# Altium PCB Duong_update.PcbDoc
Units mm, origin at the board's own origin, x right, y up, seen from the top; angles counter-clockwise.
Board outline 80 x 55 mm, 2 copper layers (Top Layer, Bottom Layer); 44 components, 31 nets, 141 pads, 352 vias.
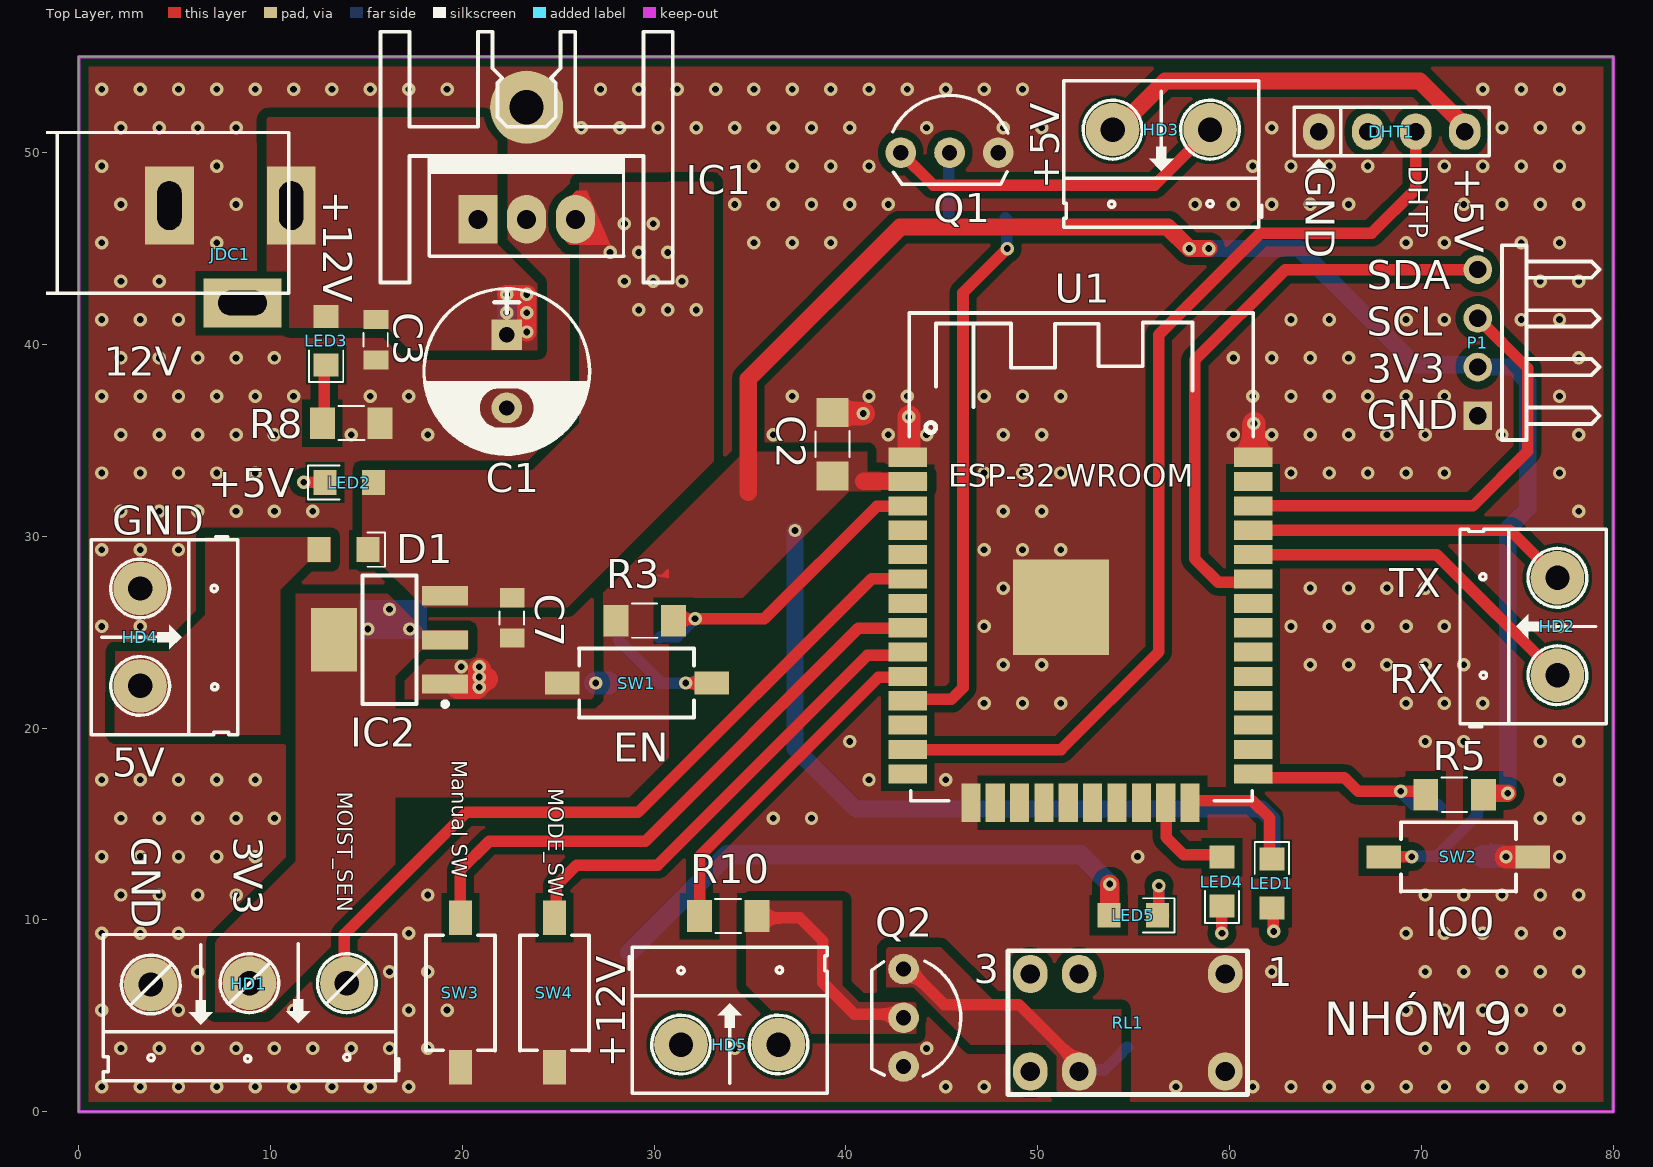
[diagram p0: Top Layer view]
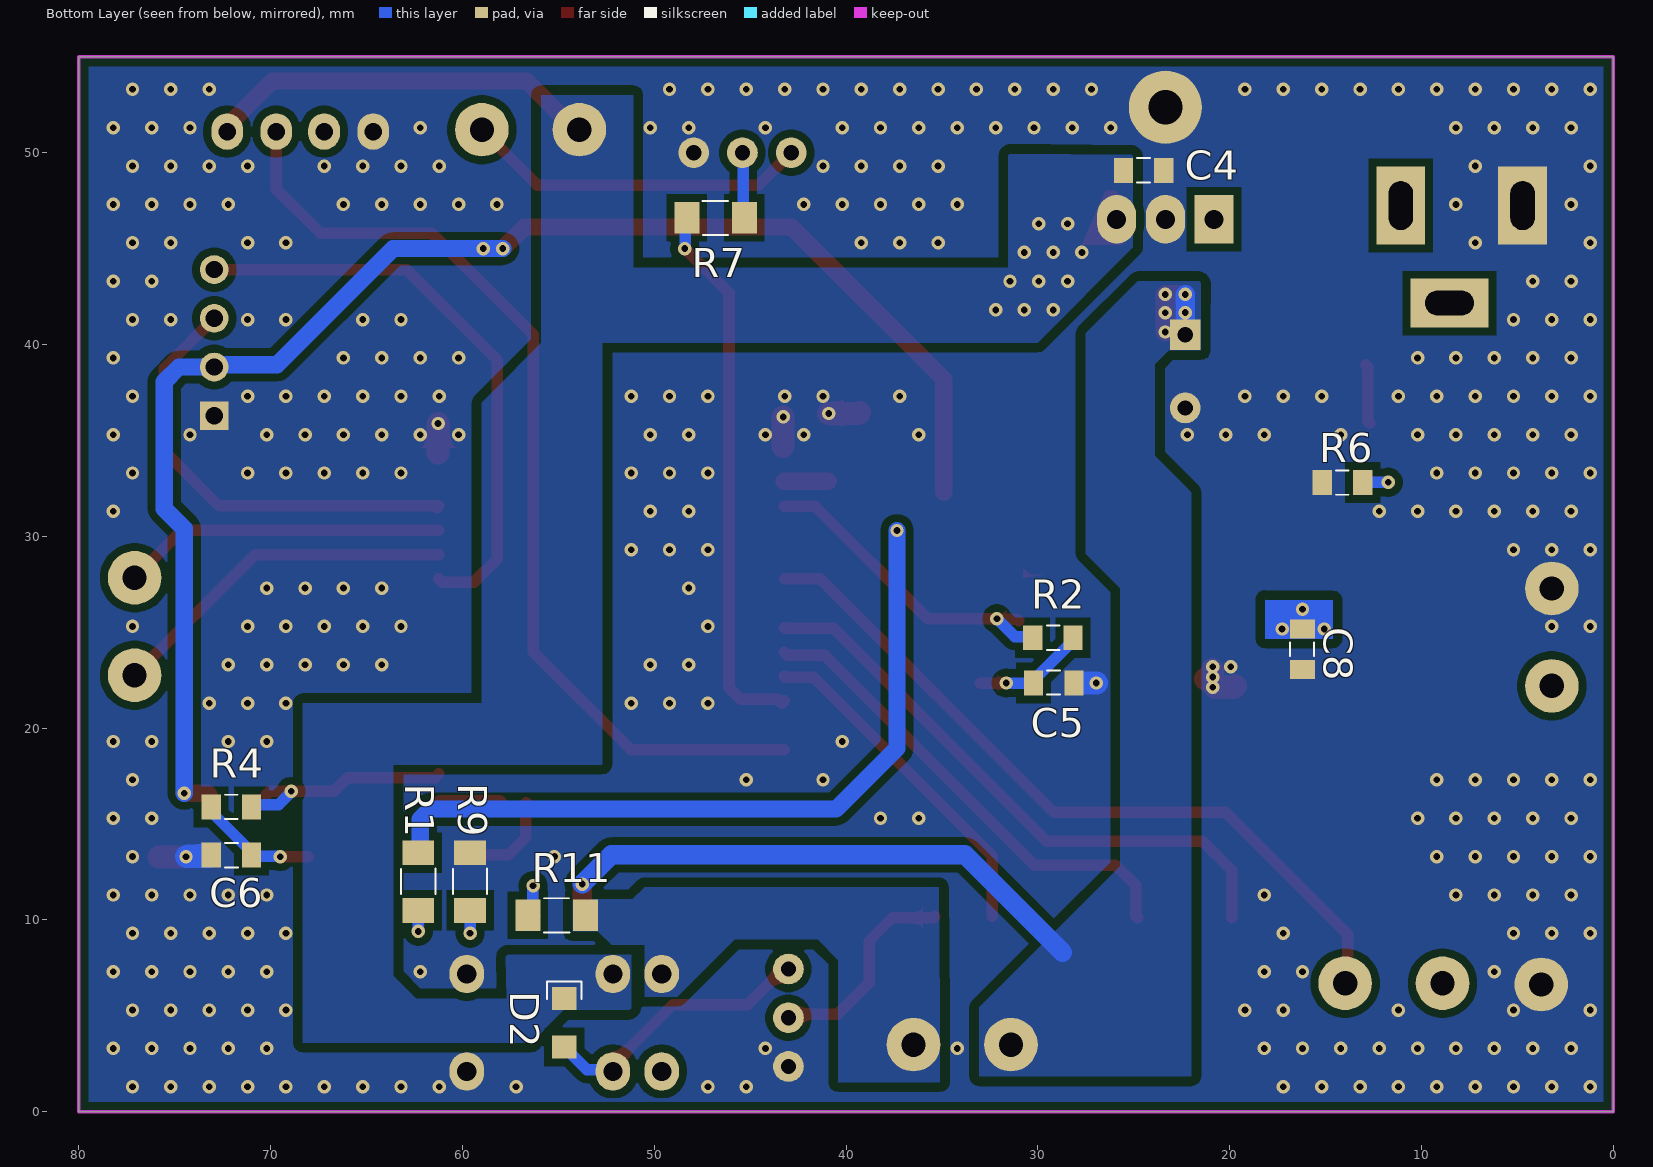
[diagram p1: Bottom Layer view, seen from below]
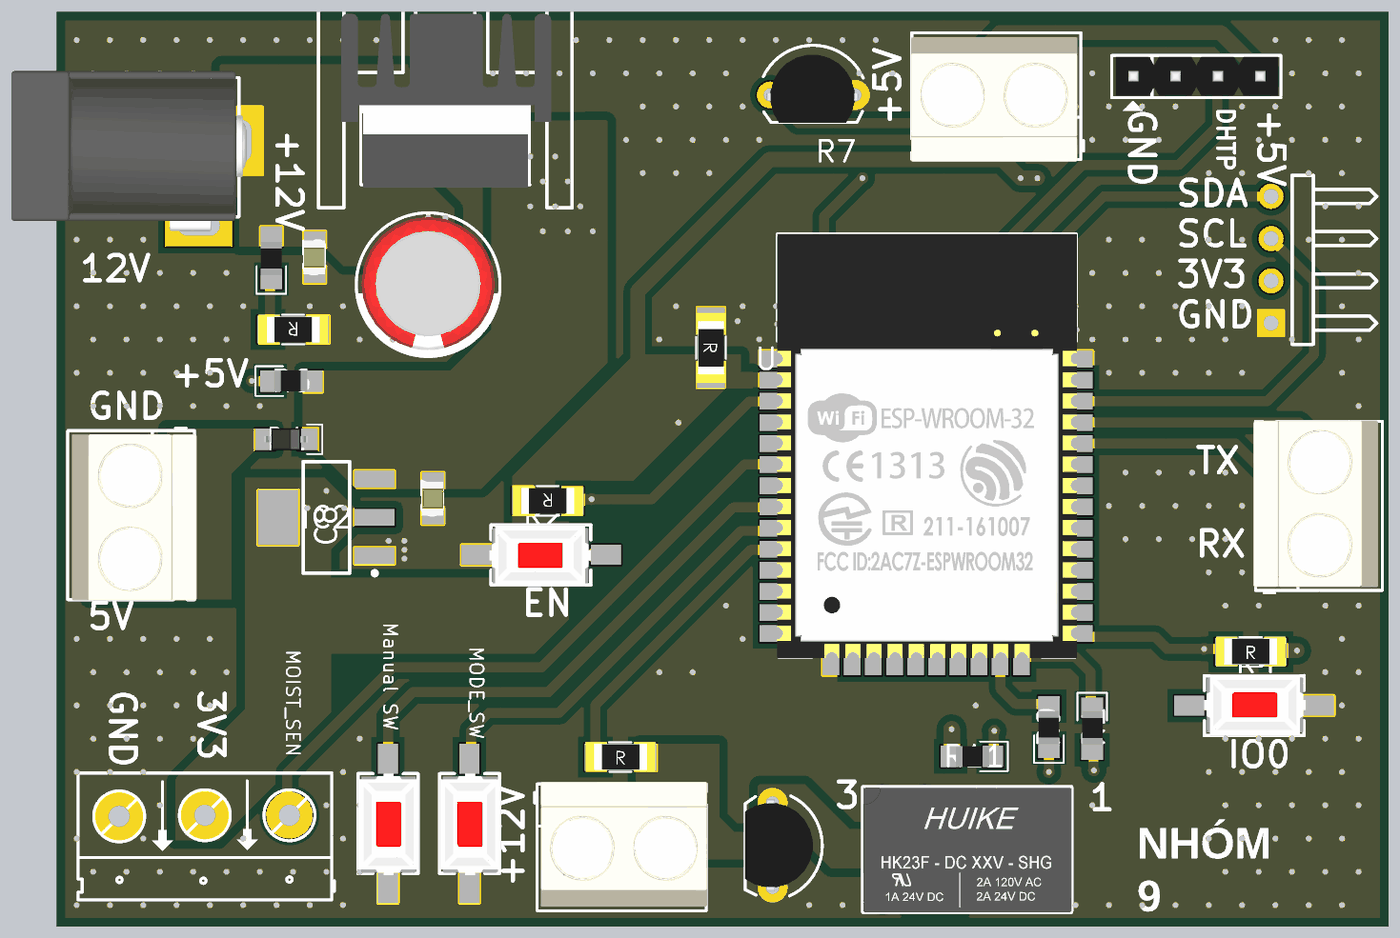
[diagram p2: 3D render of the assembled board from above, using the file's embedded part models]
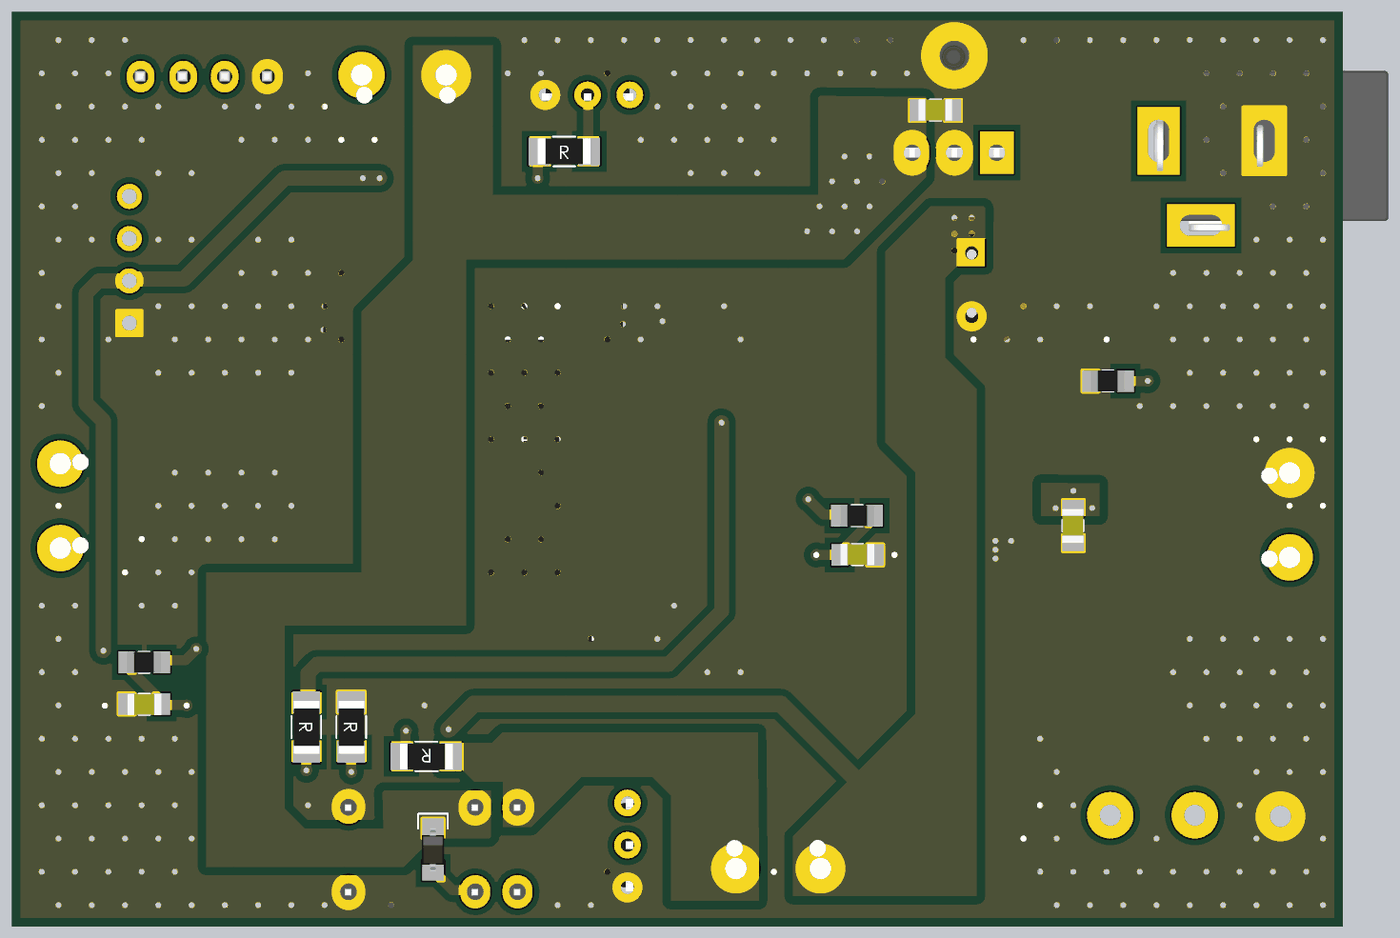
[diagram p3: 3D render of the assembled board from below, using the file's embedded part models]

## Layer stack, top to bottom
Top Solder: solder mask 0.0102, Solder Resist, Dk 3.5
Top Layer: signal copper 0.0356
Dielectric 1: dielectric 0.32, FR-4, Dk 4.8
Bottom Layer: signal copper 0.0356
Bottom Solder: solder mask 0.0102, Solder Resist, Dk 3.5

## Board outline
0,0 0,55 80,55 80,0

## Design rules (kind name [scope] priority, off if disabled: settings)
Clearance [All] p1: gap=0.3 except(0.4: Arc-Fill Arc-Poly Arc-Region Track-Fill Track-Poly Track-Region SMDPad-Fill SMDPad-Poly SMDPad-Region THPad-Fill THPad-Poly THPad-Region Via-Fill Via-Poly Via-Region; 0.5: Fill-Fill Fill-Poly Fill-Region Poly-Poly Poly-Region Region-Region)
PlaneConnect [All] p1: planeconnectstyle=Direct reliefexpansion=0.508 reliefentries=4 reliefconductorwidth=0.254 reliefairgap=0.254
PolygonConnect [All] p1: connectstyle=Direct reliefconductorwidth=0.254 reliefentries=4 polygonreliefangle="90 Angle" airgapwidth=0.254
RoutingVias [All] p1: holewidth=0.35 width=0.7 viastyle="Through Hole" minholewidth=0.35 minwidth=0.7 maxholewidth=0.35 maxwidth=0.7
SolderMaskExpansion [All] p1: expansion=0.102
Width +5 [InNet('+5') or InNet('VDD33')] p1: maxlimit=0.9 minlimit=0.9 preferedwidth=0.9
Width GND [InNet('GND')] p2: maxlimit=1.2 minlimit=1.2 preferedwidth=1.2
Width VCC [InNet('VCC')] p3: maxlimit=1 minlimit=0.9 preferedwidth=0.9
Width NET [All] p4: maxlimit=0.6 minlimit=0.6 preferedwidth=0.6
29 further rules are at their usual default settings.

## Components (designator, comment, footprint, x,y, rotation, side; value= is the part's Value field where it differs from the comment)
C1 "100uF/35V" CP1.5/3.4 22.313,40.501 r270 top
C2 "10uf" CM-1206 39.3,34.8 r270 top
C3 "330nF" CM-0805 15.5,40.233 r90 top
C4 "100nF" CM-0805 24.497,49.065 r180 bottom
C5 "1nf" CM-0805 29.187,22.35 r180 bottom
C6 "1nF" CM-0805 72.03,13.39 r0 bottom
C7 "10uf" CM-0805 22.6,25.733 r90 top
C8 "104" CM-0805 16.2,24.1 r90 bottom
D1 "1N4007" "D-0805 SOD323" 13.8,29.3 r0 top
D2 "1N4007" "D-0805 SOD323" 54.689,4.641 r90 bottom
DHT1 "DHT1x" jp4 67.185,51.1 r0 top
HD1 "Header 3" HED3 13.98,6.7 r180 top
HD2 "Header 2" HED2 77.091,22.757 r90 top
HD3 "Header 2" HED2 58.98,51.2 r180 top
HD4 "Header 2" HED2 3.2,27.28 r270 top
HD5 "Header 2" HED2 31.4,3.5 r0 top
IC1 "LM7805" QTO-220H1 23.346,46.525 r0 top
IC2 "LM1117" SOT223-4N 16.2,24.6 r180 top
JDC1 "Jac DC" DC-IN 7.9,44.7 r0 top
LED1 "LED" LED-0805 62.2,11.9 r90 top
LED2 "LED" LED-0805 14.1,32.8 r180 top
LED3 "LED" LED-0805 12.9,40.2 r270 top
LED4 "LED" LED-0805 59.6,12 r270 top
LED5 "LED" LED-0805 54.97,10.241 r0 top
P1 "Header 4H" HDR1X4H 72.938,36.283 r90 top
Q1 "BC547" QTO-92 45.4,50 r0 top
Q2 "BC547" QTO-92 43,4.9 r270 top
R1 "1k" RM-1206 62.3,12 r270 bottom
R2 "470" RM-0805 29.225,24.711 r180 bottom
R3 "10k" RM-1206 29.5,25.6 r180 top
R4 "470" RM-0805 72.03,15.89 r0 bottom
R5 "10k" RM-1206 71.725,16.525 r0 top
R6 "1k" RM-0805 14.1,32.8 r0 bottom
R7 "1k" RM-1206 46.8,46.6 r180 bottom
R8 "1k" RM-1206 14.2,35.9 r180 top
R9 "1k" RM-1206 59.6,12 r270 bottom
R10 "1k" RM-1206 33.864,10.2 r0 top
R11 "1k" RM-1206 55.089,10.241 r0 bottom
RL1 "Relay" "Relay HK23F" 54.689,4.641 r0 top
SW1 "SW" SW-SMD3*6 29.087,22.35 r0 top
SW2 "SW" SW-SMD3*6 71.93,13.29 r180 top
SW3 "SW" SW-SMD3*6 19.9,6.2 r90 top
SW4 "SW" SW-SMD3*6 24.8,6.2 r90 top
U1 "ESP32-S" ESP-32WR 43.224,34.123 r0 top

## Footprints (in the part's own frame and the unit in brackets; to place one, negate y for a bottom-side part, rotate by r counter-clockwise, add the part's x,y. Pads: shape width x height; smd on the part's side, far side on the other; paste and mask are expansions set on the pad)
CM-0805 [mm] "Capacitor SMD 80x50mil"
  rect 1x1.3 smd: 1(-1.041,0) 2(1.067,0)
  silkscreen extent -0.33,-0.61 0.36,0.66, body extent -1.01,-0.61 1.01,0.66, height 0.61
CM-1206 [mil] "Capacitor SMD 120x60mil"
  rect 60x65 smd: 1(-65,0) 2(65,0)
  silkscreen extent -27,-35 26,35, body extent -83,-35 83,36, height 25
CP1.5/3.4 [mm] "Tu hoa 220->470uF,16V, 470uF/16V,25V"
  rect 1.6x1.6 hole 0.8: 1(0,0)
  round 1.6 hole 0.8: 2(3.81,0)
  silkscreen extent -2.41,-4.32 6.22,4.32, body extent -2.16,-4 5.84,4, height 11.33
"D-0805 SOD323" [mm] "Resistor SMD 80x50mil"
  rect 1.2x1.3 smd: 1(-1.27,0) 2(1.27,0)
  silkscreen extent 1.24,-0.89 2.16,0.89, body extent -1.33,-0.68 1.27,0.68, height 1.1
DC-IN [mil] "Jac DC input"
  rect 100x160 hole 50 slot 100 at 90 deg: 1(125,100) 2(-125,100)
  rect 160x100 hole 50 slot 100 at 0 deg: 3(25,-100)
  silkscreen extent -425,-80 120,250, body extent -418,-113 137,265, height 433
ESP-32WR [mm] "Footprint for ESP-32WROOM"
  rect 2x1 smd: 1(0,0) 2(0,-1.27) 3(0,-2.54) 4(0,-3.81) 5(0,-5.08) 6(0,-6.35) 7(0,-7.62) 8(0,-8.89) 9(0,-10.16) 10(0,-11.43) 11(0,-12.7) 12(0,-13.97) 13(0,-15.24) 14(0,-16.51) 25(18,-16.51) 26(18,-15.24) 27(18,-13.97) 28(18,-12.7) 29(18,-11.43) 30(18,-10.16) 31(18,-8.89) 32(18,-7.62) 33(18,-6.35) 34(18,-5.08) 35(18,-3.81) 36(18,-2.54) 37(18,-1.27) 38(18,0)
  rect 1x2 smd: 15(3.285,-18.01) 16(4.555,-18.01) 17(5.825,-18.01) 18(7.095,-18.01) 19(8.365,-18.01) 20(9.635,-18.01) 21(10.905,-18.01) 22(12.175,-18.01) 23(13.445,-18.01) 24(14.715,-18.01)
  rect 5x5 smd: 38(7.976,-7.823)
  silkscreen extent 0.08,-17.91 18.01,7.52, body extent 0.04,-17.98 18.04,7.52, height 2.91
HDR1X4H [mm] "Connector; Header; 4 Position; Right Angle"
  rect 1.5x1.5 hole 0.9: 1(0,0)
  round 1.5 hole 0.9: 2(2.54,0) 3(5.08,0) 4(7.62,0)
  silkscreen extent -1.27,-6.35 8.89,-1.27
HED2 [mil] "Header 2, 2 pin, hight 300mil, Pin to Pin 200, Colour Green"
  round 110 hole 50: 1(0,0) 2(200,0)
  silkscreen extent -106,-100 300,200, body extent -92,-90 302,205, height 394
HED3 [mil] "Header 3, 3 pin, hight 300mil, Pin to Pin 200, Colour Green"
  round 110 hole 50: 1(0,0) 2(200,0) 3(402.62,2.62)
  silkscreen extent -106,-100 500,200
jp4 [mil] "Jumper 4"
  oval 65x75 hole 36: 1(-100,0) 2(1,0) 3(99,0) 4(200,0)
  silkscreen extent -150,-81 250,50, body extent -141,-45 243,47, height 320
LED-0805 [mm] "Resistor SMD 80x50mil"
  rect 1.2x1.3 smd: 1(-1.27,0) 2(1.27,0)
  silkscreen extent 0.5,-0.89 2.16,0.89, body extent -0.97,-0.64 1.03,0.62, height 0.58
QTO-92 [mm] "TO-92"
  round 1.6 hole 0.8: 1(-2.54,0) 2(0,0) 3(2.54,0)
  silkscreen extent -2.96,-1.65 3.05,2.99, body extent -2.77,-1.67 2.77,2.41, height 9.78
QTO-220H1 [mil] "TO-220 - 1-2-3"
  rect 80x100 hole 39: 1(-100,0)
  oval 80x100 hole 39: 2(0,0) 3(100,0)
  round 150 hole 70: 2(0,230)
  silkscreen extent -300,-130 300,385, body extent -246,-82 250,329, height 1000
"Relay HK23F" [mm] "HK23F W12.5x7.5x10.3mm"
  oval 1.8x2 hole 1: 1(5.08,-2.54) 1(5.08,2.54) 2(-5.08,-2.54) 3(-5.08,2.54) 4(-2.54,2.54) 5(-2.54,-2.54)
  silkscreen extent -6.25,-3.75 6.25,3.75, body extent -6.22,-3.78 6.28,3.72, height 10.01
RM-0805 [mm] "Resistor SMD 80x50mil"
  rect 1x1.3 smd: 1(-1.041,0) 2(1.067,0)
  silkscreen extent -0.3,-0.64 0.36,0.64, body extent -0.97,-0.64 1.03,0.62, height 0.58
RM-1206 [mm] "Resistor SMD 120x60mil"
  rect 1.3x1.651 smd: 1(-1.5,0) 2(1.5,0)
  silkscreen extent -0.69,-0.89 0.66,0.89, body extent -2.1,-0.89 2.1,0.91, height 0.63
SOT223-4N [mm] "SOT223, 4-Leads, Body 6.5x3.5mm, Pitch 2.3mm, Lead Span 7mm, IPC Medium Density"
  rect 2.4x1 smd: 1(-2.9,2.3) 2(-2.9,0) 3(-2.9,-2.3)
  rect 2.4x3.3 smd: 4(2.9,0)
  silkscreen extent -3.03,-3.35 1.4,3.47, body extent -1.85,-3.35 1.85,3.35, height 1.8
SW-SMD3*6 [mm] "SW-SMD3*6*2.5"
  rect 1.8x1.2 smd: 1(-3.881,0) 2(3.906,0)
  silkscreen extent -3,-1.8 3,1.8, body extent -3.09,-1.89 3.01,1.81, height 2.5

## Part data
C1: library part CP3, "Cap 100uF/35V - 470uF/16V"
C2 C3 C4 C5 C6 C7 C8: library part CM, "Cap SMD"
D1 D2: library part D1A, "Diode 1A"
DHT1: "Humidity and Temperature Sensor"
HD1: library part Hed3, "Header 3 (Green)"
HD2 HD3 HD4 HD5: library part Hed2, "Header 2 (Green)"
IC1: library part LM78xx, "On ap +, from + 5 to + 24VDC"
IC2: "3v3"
JDC1: library part DCIN, "Jac DC input"
LED1 LED2 LED3 LED4 LED5: "LED Single colour Green and Red"
P1: "Header, 4-Pin, Right Angle"
Q1 Q2: "P 600mW, CBE"
R1 R2 R3 R4 R5 R6 R7 R8 R9 R10 R11: library part R, "Resistor 1/4W"
RL1: library part "Relay 1", "Relay SPDT 5 Pin"
SW1 SW2 SW3 SW4: library part SW2, "Switch button 2 pin"

## Via types
v1: diameter 0.7, hole 0.35, Top Layer to Bottom Layer, tented both sides, 352 vias

## Nets (pads, with @x,y where several pads share a name; then routed paths per layer and width w, separated by ;. In a path a pad name is that pad's centre, name@x,y a point inside that pad or via, vN(x,y) a via of type N, cw(c..) or ccw(c..) an arc to the next point about the centre after c; other vN are vias at no path point)
+5: C4.1 C7.2 D1.2 D2.2 DHT1.4 HD3.2 IC1.3 IC2.3 LED2.1 RL1.4 | length 20.7
  Top Layer w0.9: HD3.2 54.1,51.2 56.64,53.74 69.914,53.74 72.265,51.388 DHT1.4
  other v1: 29.2,41.8 30.7,41.8 32.2,41.8 28.45,43.3 29.95,43.3 31.45,43.3 27.7,44.8 29.2,44.8 30.7,44.8 28.45,46.3 29.95,46.3
BUZZERS_PIN: R7.1 U1.11 | length 28.8
  Top Layer w0.6: U1.11 43.348,21.3 43.548,21.5 45.5,21.5 46.1,22.1 46.1,42.7 v1(48.4,45)
  Bottom Layer w0.6: R7.1 48.381,46.519 48.381,45.019 v1(48.4,45)
DHTP_PIN: DHT1.3 U1.13 | length 51.3
  Top Layer w0.6: U1.13 51.211,18.883 56.3,23.972 56.3,40.5 61.6,45.8 67.4,45.8 69.7,48.1 DHT1.3
EN: R2.1 R3.1 U1.3 | length 17
  Top Layer w0.6: R3.1 31.081,25.681 32.113,25.681 v1(32.132,25.7) 35.74,25.7 41.611,31.571 U1.3@43.212,31.571
  Bottom Layer w0.6: R2.1 30.33,24.774 31.207,24.774 v1(32.132,25.7)
GND: C1.2 C2.1 C3.1 C4.2 C5.2 C6.2 C7.1 C8.1 DHT1.1 HD1.3 HD4.1 IC1.2 IC2.1 JDC1.2 P1.1 Q1.3 Q2.3 R6.2 R8.1 R9.1 RL1.1 SW1.1 SW2.1 SW3.1 SW4.1 U1.1 U1.15 U1.38 | length 10.7
  Top Layer w1.2: IC2.1@19.7,22.2 19.771,22.129 v1@20.75,22.129 ; v1@20.885,23.053 20.885,22.264 v1@20.75,22.129 ; 21.254,22.551 21.172,22.551 v1@20.75,22.129 ; C2.1 39.351,36.4 v1(40.9,36.4) ; 43.275,34.674 v1(43.275,36.223) ; U1.38@61.266,34.332 v1(61.266,35.881) ; v1(74.41,13.29) SW2.1
  Bottom Layer w1.2: v1(26.95,22.35) 27.62,22.35 ; C6.2@73.176,13.311 v1@74.389,13.311
  other v1: 1.2,1.3 3.2,1.3 5.2,1.3 7.2,1.3 9.2,1.3 11.2,1.3 13.2,1.3 15.2,1.3 17.2,1.3 45.2,1.3 47.2,1.3 57.2,1.3 61.2,1.3 63.2,1.3 65.2,1.3 67.2,1.3 69.2,1.3 71.2,1.3 73.2,1.3 75.2,1.3 77.2,1.3 2.2,3.3 4.2,3.3 6.2,3.3 8.2,3.3 10.2,3.3 12.2,3.3 14.2,3.3 16.2,3.3 18.2,3.3 34.2,3.3 44.2,3.3 70.2,3.3 72.2,3.3 74.2,3.3 76.2,3.3 78.2,3.3 1.2,5.3 5.2,5.3 11.2,5.3 17.2,5.3 19.2,5.3 69.2,5.3 71.2,5.3 73.2,5.3 75.2,5.3 77.2,5.3 6.2,7.3 16.2,7.3 18.2,7.3 62.2,7.3 70.2,7.3 72.2,7.3 74.2,7.3 76.2,7.3 78.2,7.3 1.2,9.3 3.2,9.3 5.2,9.3 17.2,9.3 69.2,9.3 71.2,9.3 73.2,9.3 75.2,9.3 77.2,9.3 2.2,11.3 4.2,11.3 6.2,11.3 8.2,11.3 18.2,11.3 70.2,11.3 72.2,11.3 74.2,11.3 76.2,11.3 78.2,11.3 1.2,13.3 3.2,13.3 5.2,13.3 7.2,13.3 9.2,13.3 55.2,13.3 77.2,13.3 2.2,15.3 4.2,15.3 6.2,15.3 8.2,15.3 10.2,15.3 36.2,15.3 38.2,15.3 76.2,15.3 78.2,15.3 1.2,17.3 3.2,17.3 5.2,17.3 7.2,17.3 9.2,17.3 41.2,17.3 45.2,17.3 77.2,17.3 40.2,19.3 70.2,19.3 72.2,19.3 76.2,19.3 78.2,19.3 47.2,21.3 49.2,21.3 51.2,21.3 69.2,21.3 71.2,21.3 73.2,21.3 20.885,22.129 20.885,22.661 19.943,23.192 20.885,23.192 48.2,23.3 50.2,23.3 64.2,23.3 66.2,23.3 68.2,23.3 70.2,23.3 72.2,23.3 1.2,25.3 3.2,25.3 47.2,25.3 63.2,25.3 65.2,25.3 67.2,25.3 69.2,25.3 71.2,25.3 77.2,25.3 48.2,27.3 64.2,27.3 66.2,27.3 68.2,27.3 70.2,27.3 1.2,29.3 3.2,29.3 5.2,29.3 47.2,29.3 49.2,29.3 51.2,29.3 2.2,31.3 4.2,31.3 6.2,31.3 8.2,31.3 10.2,31.3 12.2,31.3 48.2,31.3 50.2,31.3 78.2,31.3 1.2,33.3 3.2,33.3 5.2,33.3 7.2,33.3 9.2,33.3 47.2,33.3 49.2,33.3 51.2,33.3 63.2,33.3 65.2,33.3 67.2,33.3 69.2,33.3 71.2,33.3 77.2,33.3 2.2,35.3 4.2,35.3 6.2,35.3 8.2,35.3 10.2,35.3 14.2,35.3 18.2,35.3 20.2,35.3 22.2,35.3 36.2,35.3 42.2,35.3 44.2,35.3 48.2,35.3 50.2,35.3 60.2,35.3 62.2,35.3 64.2,35.3 66.2,35.3 68.2,35.3 70.2,35.3 74.2,35.3 78.2,35.3 1.2,37.3 3.2,37.3 5.2,37.3 7.2,37.3 9.2,37.3 11.2,37.3 15.2,37.3 17.2,37.3 19.2,37.3 37.2,37.3 41.2,37.3 43.2,37.3 47.2,37.3 49.2,37.3 51.2,37.3 61.2,37.3 63.2,37.3 65.2,37.3 67.2,37.3 69.2,37.3 71.2,37.3 77.2,37.3 2.2,39.3 4.2,39.3 6.2,39.3 8.2,39.3 10.2,39.3 60.2,39.3 62.2,39.3 64.2,39.3 66.2,39.3 78.2,39.3 1.2,41.3 3.2,41.3 5.2,41.3 63.2,41.3 65.2,41.3 69.2,41.3 71.2,41.3 75.2,41.3 77.2,41.3 2.2,43.3 4.2,43.3 76.2,43.3 78.2,43.3 1.2,45.3 7.2,45.3 35.2,45.3 37.2,45.3 39.2,45.3 69.2,45.3 71.2,45.3 75.2,45.3 77.2,45.3 2.2,47.3 8.2,47.3 34.2,47.3 36.2,47.3 38.2,47.3 40.2,47.3 42.2,47.3 58.2,47.3 60.2,47.3 62.2,47.3 64.2,47.3 66.2,47.3 72.2,47.3 74.2,47.3 76.2,47.3 78.2,47.3 1.2,49.3 7.2,49.3 35.2,49.3 37.2,49.3 39.2,49.3 41.2,49.3 61.2,49.3 63.2,49.3 65.2,49.3 67.2,49.3 71.2,49.3 73.2,49.3 75.2,49.3 77.2,49.3 2.2,51.3 4.2,51.3 6.2,51.3 8.2,51.3 26.2,51.3 28.2,51.3 30.2,51.3 32.2,51.3 34.2,51.3 36.2,51.3 38.2,51.3 40.2,51.3 44.2,51.3 48.2,51.3 50.2,51.3 62.2,51.3 74.2,51.3 76.2,51.3 78.2,51.3 1.2,53.3 3.2,53.3 5.2,53.3 7.2,53.3 9.2,53.3 11.2,53.3 13.2,53.3 15.2,53.3 17.2,53.3 19.2,53.3 27.2,53.3 29.2,53.3 31.2,53.3 33.2,53.3 35.2,53.3 37.2,53.3 39.2,53.3 41.2,53.3 43.2,53.3 45.2,53.3 47.2,53.3 49.2,53.3 73.2,53.3 75.2,53.3 77.2,53.3
IO0: R4.1 R5.1 U1.25 | length 11.9
  Top Layer w0.6: U1.25 61.424,17.413 65.987,17.413 66.7,16.7 v1(68.92,16.7) 70.051,16.7 R5.1
  Bottom Layer w0.6: v1(68.92,16.7) 68.92,16.671 69.575,16.015 70.864,16.015 R4.1
IO2: LED1.2 U1.24 | length 6.8
  Top Layer w0.6: U1.24 58.042,16.216 61.184,16.216 62.1,15.3 62.1,13.27 LED1.2
MANUAL_SWITCH: SW3.2 U1.8 | length 31.1
  Top Layer w0.6: SW3.2 19.9,12.6 21.4,14.1 29.541,14.1 40.641,25.2 43.191,25.2 U1.8
MODE_SWITCH: SW4.2 U1.9 | length 25.1
  Top Layer w0.6: SW4.2 24.9,10.206 24.9,11.8 25.959,12.859 30.186,12.859 41.12,23.793 43.054,23.793 U1.9
MODEL_LED: LED4.1 U1.23 | length 5.2
  Top Layer w0.6: U1.23 56.7,16.083 56.7,14.3 57.6,13.4 59.47,13.4 LED4.1
MOIST_SENSOR: HD1.1 U1.6 | length 39.6
  Top Layer w0.6: HD1.1 13.848,6.832 13.848,9.24 20.208,15.6 29.15,15.6 41.343,27.792 U1.6@43.19,27.792
NetC5_1: C5.1 R2.2 SW1.2 | length 6
  Top Layer w0.6: v1(31.65,22.35) SW1.2
  Bottom Layer w0.6: R2.2 28.158,24.561 28.358,24.361 28.367,24.361 30.228,22.5 C5.1 v1(31.65,22.35)
NetC6_1: C6.1 R4.2 SW2.2 | length 6.4
  Top Layer w0.6: SW2.2 68.033,13.3 v1(69.5,13.3)
  Bottom Layer w0.6: v1(69.5,13.3) 69.519,13.319 70.918,13.319 C6.1 70.989,13.54 72.897,15.449 72.897,15.69 R4.2
NetD1_1: D1.1 HD4.2
NetD2_1: D2.1 Q2.1 RL1.5 | length 14.7
  Top Layer w0.6: Q2.1 43.271,7.44 45.122,5.588 49.018,5.588 52.149,2.458 RL1.5
  Bottom Layer w0.6: RL1.5 52.237,2.189 53.507,2.189 54.339,3.021 54.339,3.071 54.639,3.371 D2.1
NetHD3_1: HD3.1 Q1.1 | length 18
  Top Layer w0.6: Q1.1 44.549,48.311 56.091,48.311 HD3.1
NetLED1_1: LED1.1 R1.2 | length 2.4
  Top Layer w0.6: LED1.1 62.281,10.549 62.281,9.419 v1(62.3,9.4)
  Bottom Layer w0.6: v1(62.3,9.4) R1.2
NetLED2_2: LED2.2 R6.1 | length 2.4
  Top Layer w0.6: v1(11.725,32.81) 11.73,32.805 12.825,32.805 LED2.2
  Bottom Layer w0.6: v1(11.725,32.81) 11.73,32.805 13.053,32.805 R6.1
NetLED3_2: LED3.2 R8.2 | length 3.1
  Top Layer w0.6: R8.2 12.8,36 12.8,38.83 LED3.2
NetLED4_2: LED4.2 R9.2 | length 2.6
  Top Layer w0.6: v1(59.6,9.3) LED4.2
  Bottom Layer w0.6: v1(59.6,9.3) R9.2
NetLED5_2: LED5.2 R11.2 | length 3.2
  Top Layer w0.6: LED5.2 56.295,10.296 56.295,11.758 v1(56.314,11.777)
  Bottom Layer w0.6: v1(56.314,11.777) 56.334,11.758 56.334,10.496 R11.2
NetQ1_2: Q1.2 R7.2 | length 3.4
  Bottom Layer w0.6: R7.2 45.35,46.65 45.35,49.95 Q1.2
NetQ2_2: Q2.2 R10.2 | length 11.1
  Top Layer w0.6: R10.2 35.464,10.1 37.6,10.1 38.8,8.9 38.8,6.725 40.434,5.091 42.809,5.091 Q2.2
RXD: HD2.1 U1.34 | length 18.5
  Top Layer w0.6: U1.34 70.805,29.043 HD2.1
SCL: P1.3 U1.36 | length 23.6
  Top Layer w0.6: U1.36 61.308,31.5 61.391,31.583 72.683,31.583 75.532,34.432 75.532,38.769 P1.3
SDA: P1.4 U1.33 | length 30.7
  Top Layer w0.6: U1.33 61.054,27.603 59.403,27.603 58.188,28.819 58.188,39.188 62.903,43.903 P1.4
TXD: HD2.2 U1.35 | length 16.9
  Top Layer w0.6: U1.35 74.615,30.313 HD2.2
VCC: C1.1 C3.2 HD5.1 IC1.1 JDC1.1 LED3.1 LED5.1 | length 34.5
  Top Layer w1: v1(22.313,42.61) v1(23.351,42.61) v1(23.351,41.649) v1(23.351,40.649) ; LED5.1 53.754,10.295 v1(53.754,11.866)
  Bottom Layer w1: C1.1 v1(22.313,41.662) v1(22.313,42.61) ; 28.708,8.308 33.8,13.4 52.22,13.4 v1(53.754,11.866)
VDD33: C2.2 C8.2 HD1.2 IC2.2 IC2.4 P1.2 R1.1 R3.2 R5.2 U1.2 | length 122.4
  Top Layer w0.9: 34.9,32.3 34.9,38.2 42.819,46.119 56.781,46.119 v1(57.9,45) v1(58.905,45) ; 40.927,32.873 43.204,32.873 U1.2 ; R5.2 73.3,16.6 v1(74.5,16.6)
  Bottom Layer w0.9: v1(15.061,25.167) C8.2 ; v1(16.2,26.2) C8.2 ; v1(17.267,25.167) C8.2 ; v1(37.343,30.3) 37.343,18.955 40.519,15.778 61.673,15.778 62.2,15.251 62.2,13.6 R1.1 ; v1(57.9,45) v1(58.905,45) 63.6,45 69.662,38.938 72.824,38.938 P1.2 74.778,38.823 75.542,38.059 75.542,31.442 74.5,30.4 v1(74.5,16.6)
WATER_LED: HD5.2 R11.1 RL1.3
WATER_PIN: R10.1 U1.10 | length 17.9
  Top Layer w0.6: R10.1 32.364,13.326 41.691,22.653 43.185,22.653 U1.10
pads on no net: DHT1.2 JDC1.3 RL1.2 U1.4 U1.5 U1.7 U1.12 U1.14 U1.16 U1.17 U1.18 U1.19 U1.20 U1.21 U1.22 U1.26 U1.27 U1.28 U1.29 U1.30 U1.31 U1.32 U1.37
copper on no net: | length 0.5
  Top Layer w0.254: -47.146,-92.82 -47.146,-92.312

## Polygon pours and split planes (outlines as drawn)
VCC on Top Layer "VCC_L01_P000" (solid, remove dead copper, pour order 0): 9.805,49.272 9.805,40.87 16.08,40.87 17.249,39.701 23.9,39.701 23.9,43.177 21.822,45.255 21.822,51.836 9.794,51.836
NetD2_1 on Top Layer "NETD2_1_L01_P004" (solid, remove dead copper, pour order 4): 42.106,8.132 42.106,6.495 43.517,6.495 46.511,3.5 50.4,3.5 51,2.9 51,1.099 51.208,0.891 54.355,0.891 54.355,5.352 48.148,5.352 44.929,8.571 42.105,8.571
+5 on Top Layer "+5_L01_P007" (solid, remove dead copper, pour order 7): 26.1,48.423 26.1,35.9 23.65,33.45 14.77,33.45 14.77,28.664 14.784,28.65 15.67,28.65 15.67,28.63 18,26.3 25.5,26.3 33.1,33.9 33.1,48.5
NetD1_1 on Top Layer "NETD1_1_L01_P012" (solid, remove dead copper, pour order 12): 1.896,24 4.7,24 6.6,25.9 6.6,29.957 12.846,29.957 13.13,29.957 13.13,29.672 13.13,28.65 11.93,28.65 10.5,27.22 10.5,19.66 1.871,19.66
NetQ2_2 on Top Layer "NETQ2_2_L01_P016" (solid, remove dead copper, pour order 16): 43.651,5.698 40.702,5.698 39.8,6.6 39.8,11 35.01,11 34.787,10.777 34.787,6.59 37.324,4.053 43.651,4.053
VDD33 on Top Layer "VDD33_L01_P011" (solid, remove dead copper, pour order 11): 20.3,25.1 17.9,25.1 17.9,25.2 16.1,27 11.3,27 11.3,19.556 16.491,19.556 16.491,22.691 17.9,24.1 20.3,24.1
VDD33 on Top Layer "VDD33_L01_P013" (solid, remove dead copper, pour order 13): 7.2,8.9 7.124,8.824 7.124,5.178 9.727,5.178 16.5,11.951 16.5,20.6 11.4,20.6 11.3,20.7 11.3,13.055 7.088,8.843
VDD33 on Top Layer "VDD33_L01_P014" (solid, remove dead copper, pour order 14): 27.35,24.774 28.65,24.774 28.65,25.85 29.607,26.807 34.613,26.807 40.159,32.353 44.224,32.353 44.224,33.353 41.105,33.353 41.1,34.4 40.058,34.4 34.7,34.4 27.35,27.05
VDD33 on Top Layer "VDD33_L01_P015" (solid, remove dead copper, pour order 15): 27.35,27.081 27.35,24.774 27.358,24.766 27.358,21.436 26.922,21 15.762,21 15.762,16.462 15.7,16.4 28.7,16.4 30.767,18.467 30.767,27.907
GND on Top Layer "GND_L01_P017" (solid, remove dead copper, pour order 17): 80,55 80,0 0,0 0,55
VCC on Bottom Layer "VCC_L02_P002" (solid, remove dead copper, pour order 2): 21.513,40.946 21.513,39.701 23.169,39.701 23.9,38.97 23.9,34.2 22,32.3 22,1.844 33.064,1.844 33.064,5.436 25.7,12.8 25.7,27.3 27.5,29.1 27.5,40.578 24.778,43.3 21.5,43.3
WATER_LED on Bottom Layer "WATER_LED_L02_P003" (solid, remove dead copper, pour order 3): 35.1,5.4 35.1,1.544 40.4,1.544 40.4,7.9 41.484,8.984 45.8,8.984 48.787,5.997 50.5,5.997 50.5,11.7 35.162,11.7
WATER_LED on Bottom Layer "WATER_LED_L02_P005" (solid, remove dead copper, pour order 5): 50.5,11.7 51.134,11.066 54.239,11.066 54.239,9.415 52.939,9.415 52.223,8.7 48.7,8.7 48.2,9.2 48.2,10.1
+5 on Bottom Layer "+5_L02_P009" (solid, remove dead copper, pour order 9): 25.112,49.887 25.039,49.813 25.039,45.061 30,40.1 55.9,40.1 55.9,53 51.1,53 51.1,44 31.533,44 31.533,49.95
+5 on Bottom Layer "+5_L02_P010" (solid, remove dead copper, pour order 10): 52.7,40.4 52.7,18.1 63.6,18.1 63.6,7.1 62.4,5.9 57.676,5.9 57.731,8.181 54.219,8.181 51.209,8.181 51.209,5.394 51.292,5.311 54.703,5.311 56.414,3.6 68.313,3.6 68.313,21.3 59,21.3 59,36.965 55.387,40.578
GND on Bottom Layer "GND_L02_P018" (solid, remove dead copper, pour order 18): 80,55 80,0 0,0 0,55

## Keep-outs
Keep-Out Layer:
  the board outline again, w0.2

## Other copper
Top Layer:
  region net +5: 26.488,48.021 25.932,48.021 25.362,47.451 25.362,45.401 25.366,45.401 25.567,45.2 27.7,45.2
  region net VDD33: 30.767,27.804 30.767,28.233 30.7,28.3 30.4,28 29.7,28
Bottom Layer:
  region net VDD33: 14.626,26.653 14.634,26.646 14.634,24.667 18.141,24.667 18.141,26.685

## Silkscreen, mask and mechanical layers (free items; w line width, h text height)
Top Overlay:
  text "DHTP" at 69.334,49.313 h1 r270
  text "GND" at 63.97,49.259 h1.52 r270
  text "+5V" at 71.738,49.259 h1.52 r270
  text "+5V" at 51.119,48.083 h1.52 r90
  text "+12V" at 12.757,48.017 h1.52 r270
  text "SDA" at 67.157,42.883 h1.52
  text "SCL" at 67.157,40.449 h1.52
  text "12V" at 1.307,38.359 h1.52
  text "3V3" at 67.157,38.015 h1.52
  text "GND" at 67.157,35.581 h1.52
  text "+5V" at 6.763,32.033 h1.52
  text "GND" at 1.748,30.084 h1.52
  text "TX" at 68.316,26.817 h1.52
  text "RX" at 68.316,21.812 h1.52
  text "Manual SW" at 19.446,18.322 h0.8 r270
  text "EN" at 27.854,18.254 h1.52
  text "5V" at 1.754,17.454 h1.52
  text "MODE_SW" at 24.49,16.855 h0.8 r270
  text "MOIST_SEN" at 13.467,16.67 h0.8 r270
  text "GND" at 2.754,14.346 h1.52 r270
  text "3V3" at 8.068,14.346 h1.52 r270
  text "IO0" at 70.216,9.149 h1.52
  text "3" at 46.648,6.695 h1.52
  text "1" at 61.954,6.554 h1.52
  text "NHÓM 9" at 64.937,3.425 h3
  text "+12V" at 28.483,2.299 h1.52 r90

## Text inside footprints (layer, text, board x,y; h text height)
U1: Top Overlay "ESP-32 WROOM" at 45.338,32.203 h2.03